# KiCad board Neptune.kicad_pcb (continued)
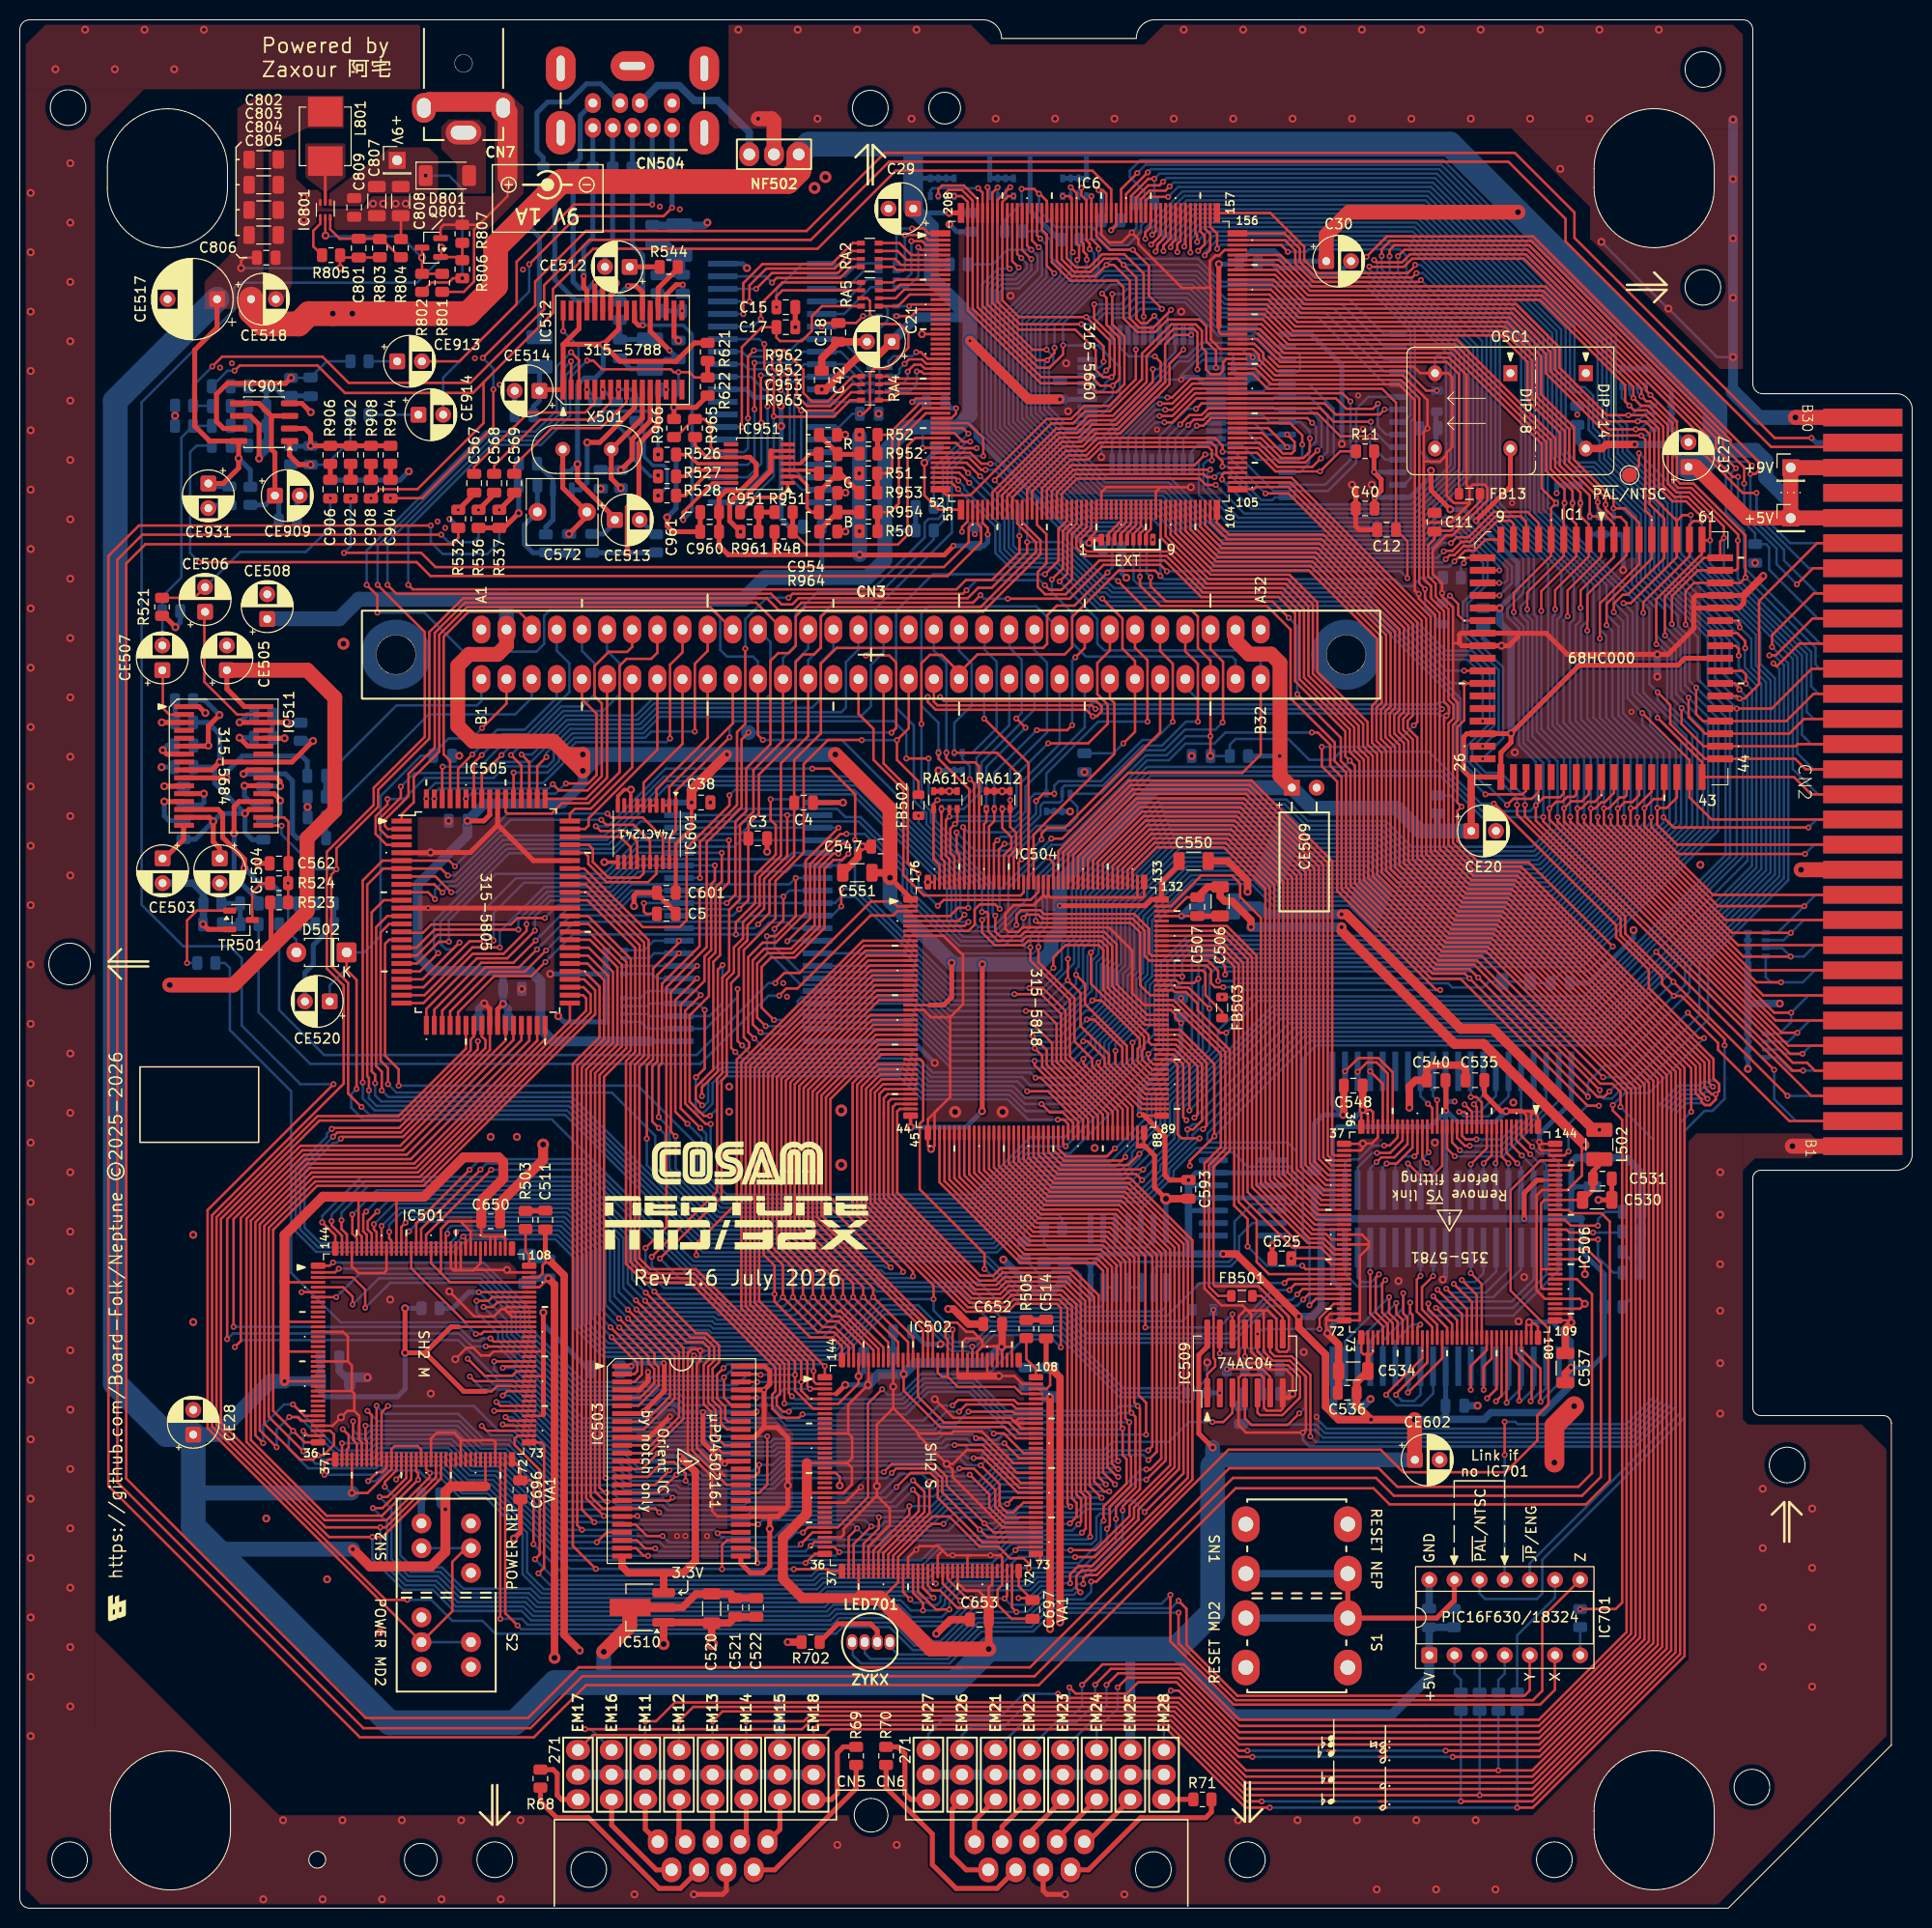
[diagram p0: board, top side]
## Routing (per net, layer and track width the routed paths; a pad name or vN(x,y) marks a point on that pad's centre or on a via; arc(x,y) is an arc through that point) (continued)
VA23: length 358.8
  Top w0.25: 111.28,171.88 111.28,173.77 v1(112.91,175.4) ; IC1.55 173.53,130.17 173.78,129.91 v1(173.78,129.48) ; IC601.18 64.97,108.23 62.95,110.25 59.78,110.25 v1(59.38,110.65) ; v1(43.96,105.33) 43.39,105.9 36.66,105.9 34.65,103.9 v1(34.65,83.47) ; v1(119.56,78.77) 119.9,79.11 119.9,85.48 117.08,88.3 IC504.105
  Bottom w0.25: v1(59.38,110.65) 49.28,110.65 v1(43.96,105.33) ; v1(112.91,175.4) 113.75,176.25 143.63,176.25 160.79,159.08 160.79,150.8 161.93,149.67 161.93,147.21 166.94,142.2 166.94,136.32 v1(173.78,129.48) 174.95,128.31 174.95,125.43 176.43,123.95 176.43,104.9 160.11,88.58 129.37,88.58 v1(119.56,78.77) 119.09,78.77 118.5,78.18 118.5,77.74 115.67,74.92 115.67,74.38 113.12,71.82 103.61,71.82 98.54,66.75 69.19,66.75 55.29,80.65 35.85,80.65 34.65,81.85 v1(34.65,83.47)
VCLK: length 249.4
  Top w0.25: v1(170.52,81.82) 169.78,82.56 169.78,85.29 151.14,103.93 146.65,103.93 143.45,107.13 143.45,120.97 v1(143.7,121.22) 143.45,121.47 143.45,130.93 141.98,132.41 v1(141.98,133.35) 141.4,133.92 141.4,152.63 139.54,154.5 126.63,154.5 125,156.12 IC6.130 ; v1(130.4,47.7) 130.4,53.91 128.51,55.8 126.79,55.8 126.33,56.26 126.33,58.54 ; v1(108.67,121.24) 108.31,121.6 92.72,121.6 92.36,121.97 CN3.b19
  Bottom w0.25: v1(130.4,47.7) 130.97,47.12 163.07,47.12 166.84,50.89 166.84,80.51 168.16,81.83 170.51,81.83 v1(170.52,81.82) ; v1(141.98,133.35) 141.98,131.55 FB7.1 ; v1(143.7,121.22) 143.7,121.23 108.69,121.23 v1(108.67,121.24)
VD0: length 253.4
  Top w0.25: v1(150.95,131.03) 150.95,132.96 154.72,136.74 154.72,141.55 v1(155.22,142.05) 153.76,143.52 153.76,148.04 144.6,157.2 127.74,157.2 125.32,159.62 IC6.137 ; IC504.86 112.42,81.05 108.35,85.12 108.35,85.85 106.55,87.65 106.55,92 102.92,95.62 v1(102.92,97.18) ; v1(153.93,110.3) 153.93,109.87 179.12,84.68 v1(180.17,84.68) ; v1(83.53,108.6) 82.9,108.6 79.85,105.55 79.85,100.05 v1(77.55,97.75)
  Bottom w0.25: CN2.a4 186.19,84.68 v1(180.17,84.68) 178.92,84.68 177.6,86 RM3.8 ; IC2.12 77.6,97.8 v1(77.55,97.75) ; v1(83.53,108.6) 85.38,108.6 89.2,104.78 89.2,102.39 95.09,96.5 101.84,96.5 101.85,96.5 102.36,96.5 102.92,97.06 v1(102.92,97.18) 102.92,98.4 103.8,99.27 103.8,104.03 114.25,114.48 143.53,114.48 147.71,110.3 v1(153.93,110.3) 153.93,115.77 151.93,117.77 151.93,129.58 150.95,130.56 v1(150.95,131.03)
VD1: length 233.8
  Top w0.25: IC504.92 113.58,81.8 110.05,85.33 110.05,86.3 107.17,89.18 107.17,92.52 v1(105.88,93.81) 105.9,93.83 v1(105.9,95.96) ; v1(152.3,131.3) 152.3,133 155.99,136.69 IC1.4 155.99,141.97 v1(156.08,142.05) 156.08,143.44 154.22,145.29 154.22,148.24 144.81,157.65 127.93,157.65 125.46,160.12 IC6.138 ; v1(155.37,110.3) 155.37,109.87 178.87,86.38 v1(180.12,86.38)
  Bottom w0.25: CN2.a5 180.95,87.2 v1(180.12,86.38) 178.28,86.38 177.85,86.8 RM3.7 ; v1(105.88,93.81) 103.84,91.78 94.24,91.78 89.49,96.53 IC2.13 ; v1(105.9,95.96) 105.9,97.42 106.75,98.27 106.75,103.03 115.34,111.62 127.79,111.62 129.96,109.45 137.84,109.45 140.44,106.85 152.98,106.85 155.37,109.25 v1(155.37,110.3) 155.37,115.93 152.83,118.47 152.83,130.17 152.3,130.69 v1(152.3,131.3)
VD2: length 231.9
  Top w0.25: v1(153.73,131.15) 153.73,133.14 157.27,136.68 157.27,139.9 156.88,140.28 v1(156.88,142.04) 156.88,143.27 154.67,145.48 154.67,148.43 145,158.1 128.12,158.1 125.59,160.62 IC6.139 ; v1(179.6,88.5) 178.01,88.5 156.65,109.86 v1(156.65,110.33) ; IC504.95 113.99,83.3 111.85,85.44 111.85,87.17 107.62,91.4 107.62,93.45 v1(106.72,94.35)
  Bottom w0.25: IC2.14 90.12,95.26 94.05,91.33 104.6,91.33 106.72,93.44 v1(106.72,94.35) 106.72,94.94 106.98,95.2 106.98,97.23 107.65,97.9 107.65,102.66 115.72,110.73 127.42,110.73 129.59,108.55 137.47,108.55 140.07,105.95 153.35,105.95 156.65,109.25 v1(156.65,110.33) 156.65,116.28 153.73,119.2 v1(153.73,131.15) ; RM3.6 178.7,87.6 v1(179.6,88.5) 180.84,89.74 CN2.a6
VD3: length 233.8
  Top w0.25: v1(155.13,131.31) 155.13,133.25 158.53,136.66 158.53,139.88 157.68,140.73 v1(157.68,142.05) 157.68,143.11 155.13,145.66 155.13,148.61 145.19,158.55 128.3,158.55 125.73,161.12 IC6.140 ; IC504.98 114.4,84.8 113.4,85.8 113.4,86.7 113.6,86.9 113.6,88.08 108.22,93.45 v1(108.22,96.62) ; v1(158.05,110.33) 158.05,109.74 177.26,90.53 v1(178.97,90.53)
  Bottom w0.25: 80.61,94 IC2.15 90.12,93.99 94.03,90.07 104.98,90.07 106.71,91.81 106.73,91.81 107.88,92.96 107.88,96.28 v1(108.22,96.62) 108.55,96.95 108.55,102.28 116.09,109.83 127.04,109.83 129.22,107.65 137.1,107.65 139.7,105.05 153.72,105.05 158.05,109.38 v1(158.05,110.33) 158.05,116.38 154.87,119.55 154.87,130.54 155.13,130.79 v1(155.13,131.31) ; CN2.a7 180.73,92.28 v1(178.97,90.53) 178.97,89.58 177.8,88.4 RM3.5
VD4: length 233.4
  Top w0.25: IC504.97 114.26,84.3 112.95,85.61 112.95,86.88 113.15,87.08 113.15,87.89 109.28,91.76 v1(108.36,91.76) ; v1(177.95,93.6) 175.46,93.6 159.42,109.63 v1(159.42,110.33) ; IC6.141 125.87,161.62 128.49,159 149.65,159 152.34,156.3 152.34,152.43 155.59,149.18 155.59,145.84 158.62,142.81 v1(158.62,140.7) 159.37,140.7 159.8,140.26 159.8,136.62 156.38,133.2 v1(156.38,130.6)
  Bottom w0.25: RM4.8 176.4,94.12 176.92,93.6 v1(177.95,93.6) 180.15,93.6 181.37,94.82 CN2.a8 ; v1(156.38,130.6) 155.97,130.19 155.97,119.83 159.42,116.38 v1(159.42,110.33) 159.42,109.48 154.1,104.15 139.32,104.15 136.72,106.75 128.85,106.75 126.67,108.93 116.46,108.93 109.45,101.91 109.45,96.26 108.78,95.58 108.78,92.18 v1(108.36,91.76) 107.82,91.22 107.41,91.22 107.1,90.91 107.09,90.91 105,88.83 94.01,88.83 90.11,92.72 IC2.16
VD5: length 233.9
  Top w0.25: v1(160.72,110.35) 160.72,109.61 174.13,96.2 v1(178.92,96.2) ; v1(157.7,131.45) 157.7,133.22 161.08,136.59 161.08,139.93 159.43,141.58 v1(159.43,142.13) 159.43,142.69 156.1,146.02 156.1,149.32 152.79,152.63 152.79,156.49 149.83,159.45 128.68,159.45 126,162.12 IC6.142 ; v1(107.81,89.84) 108.55,89.84 111.4,86.98 111.4,85.25 113.85,82.8 IC504.94
  Bottom w0.25: RM4.7 178.08,97.05 v1(178.92,96.2) 180.25,96.2 181.41,97.36 CN2.a9 ; IC2.17 90.11,91.45 93.99,87.58 105.55,87.58 v1(107.81,89.84) 108.06,89.84 109.68,91.45 109.68,95.21 110.35,95.89 110.35,101.54 116.84,108.03 126.3,108.03 128.47,105.85 136.35,105.85 138.95,103.25 154.47,103.25 160.72,109.51 v1(160.72,110.35) 160.72,116.48 157.2,120 157.2,129.68 157.7,130.18 v1(157.7,131.45) ; 159.42,140.7 159.42,142.12 v1(159.43,142.13)
VD6: length 234.6
  Top w0.25: IC504.91 113.44,81.3 109.6,85.15 109.6,85.93 107.89,87.64 v1(107.44,87.64) ; v1(178.95,98.6) 173,98.6 162.08,109.52 v1(162.08,110.29) ; v1(158.38,129.15) 158.38,132.81 162.34,136.78 162.34,140.03 161.73,140.64 161,140.64 160.22,141.42 v1(160.22,141.89) 160.22,142.56 156.55,146.23 156.55,149.52 153.25,152.82 153.25,156.69 150.04,159.9 128.86,159.9 126.14,162.62 IC6.143
  Bottom w0.25: v1(160.22,141.89) 160.22,141.88 CA602.7 ; IC2.18 90.11,90.18 93.99,86.3 106.11,86.3 v1(107.44,87.64) 107.44,87.95 110.58,91.08 110.58,94.82 111.25,95.5 111.25,101.17 117.21,107.12 125.92,107.12 128.1,104.95 135.81,104.95 138.41,102.35 154.84,102.35 162.08,109.59 v1(162.08,110.29) 162.08,116.54 158.38,120.25 v1(158.38,129.15) ; RM4.6 178.2,97.85 v1(178.95,98.6) 180.25,99.9 CN2.a10
VD7: length 235.7
  Top w0.25: IC6.144 126.27,163.12 129.05,160.35 150.25,160.35 153.71,156.9 153.71,153.02 157.04,149.69 157.04,146.41 161.02,142.43 v1(161.02,141.5) 162.17,141.5 163.61,140.06 163.61,135.86 159.65,131.9 v1(159.65,128.35) ; v1(107.46,85.86) 107.46,85.38 111.92,80.91 IC504.85 ; v1(180.3,101.3) 171.58,101.3 163.42,109.46 v1(163.42,110.28)
  Bottom w0.25: CA602.8 161.03,141.5 v1(161.02,141.5) ; RM4.5 177.65,98.65 v1(180.3,101.3) 181.44,102.44 CN2.a11 ; IC2.19 90.11,88.91 94.09,84.93 106.53,84.93 v1(107.46,85.86) 108.67,87.08 108.67,87.91 111.48,90.71 111.48,94.45 112.15,95.12 112.15,100.79 117.58,106.23 125.55,106.23 127.73,104.05 135.44,104.05 138.04,101.45 155.22,101.45 163.42,109.65 v1(163.42,110.28) 163.42,116.57 159.65,120.34 v1(159.65,128.35)
VD8: length 259.8
  Top w0.25: v1(72.98,87.22) 72.53,87.67 v1(72.53,92.93) ; IC6.145 126.41,163.62 129.24,160.8 150.52,160.8 154.19,157.12 154.19,155.18 160.49,148.88 v1(163.83,148.88) 164.23,148.47 164.23,141.3 164.89,140.65 164.89,136.43 160.33,131.87 v1(160.33,129.7) ; IC504.90 113.31,80.8 108.97,85.13 v1(108.97,85.5) ; v1(164.83,110.28) 164.83,109.32 167.58,106.58 v1(180.37,106.58)
  Bottom w0.25: v1(180.37,106.58) 181.32,107.52 CN2.a13 ; RM5.8 62.75,89.6 63.44,88.91 IC2.22 69.31,88.91 72.53,92.13 v1(72.53,92.93) ; v1(163.83,148.88) 164.42,148.88 CA603.5 ; v1(160.33,129.7) 160.9,129.13 160.9,120.48 164.83,116.55 v1(164.83,110.28) 164.83,109.79 155.59,100.55 137.67,100.55 135.07,103.15 127.35,103.15 125.18,105.33 117.95,105.33 113.05,100.42 113.05,94.75 112.38,94.08 112.38,90.33 109.57,87.53 109.57,86.1 v1(108.97,85.5) 106.67,83.2 102.07,83.2 101.25,84.03 92.06,84.03 89.74,86.35 73.85,86.35 v1(72.98,87.22)
VD9: length 275.1
  Top w0.25: IC6.146 126.55,164.12 129.42,161.25 150.73,161.25 154.65,157.33 154.65,155.36 160.51,149.5 v1(163.28,149.5) 163.56,149.5 163.57,149.5 164.08,149.5 164.09,149.5 164.17,149.5 164.69,148.99 164.69,148.04 164.68,148.04 164.68,141.94 166.16,140.47 166.16,136.48 162.46,132.78 161.96,132.78 161.05,131.87 v1(161.05,131.03) ; v1(166.08,110.28) 167.1,109.25 v1(180.72,109.25) ; v1(68.92,82.1) 68.92,82.99 70.53,84.59 70.53,94.88 v1(71,95.35) ; v1(110.7,86.68) 110.7,85.32 113.72,82.3 IC504.93
  Bottom w0.25: v1(180.72,109.25) 181.53,110.06 CN2.a14 ; v1(163.28,149.5) 163.7,149.5 164.5,150.3 CA603.6 ; v1(68.92,82.1) 68.92,83.62 70.75,85.45 89.37,85.45 91.69,83.12 100.36,83.12 101.56,81.93 107.01,81.93 110.7,85.61 v1(110.7,86.68) 110.7,87.39 113.28,89.96 113.28,93.7 113.95,94.38 113.95,100.05 118.33,104.43 124.81,104.43 126.98,102.25 134.7,102.25 137.3,99.65 155.96,99.65 166.08,109.76 v1(166.08,110.28) 166.08,116.72 162,120.8 162,130.07 v1(161.05,131.03) ; v1(71,95.35) 71,91.5 69.68,90.18 IC2.23 63.57,90.18 63.35,90.4 RM5.7
VD10: length 287.6
  Top w0.25: v1(69.2,90.8) 69.2,84.88 v1(68.32,84) ; v1(168.83,140.82) 168,140.82 167.42,140.25 ; IC504.96 114.12,83.8 112.42,85.5 v1(112.42,87.5) ; IC6.147 126.68,164.62 129.61,161.7 150.96,161.7 155.1,157.56 155.1,155.56 160.36,150.3 v1(163.47,150.3) 164.24,150.3 165.14,149.41 165.14,147.86 165.13,147.85 165.13,142.54 167.42,140.25 ; 167.42,140.25 167.42,136.59 162.77,131.93 v1(162.03,131.93)
  Bottom w0.25: v1(168.83,140.82) 168.83,136.6 179.14,126.29 179.14,115.17 181.7,112.6 CN2.a15 ; CA603.7 164.27,151.1 v1(163.47,150.3) ; v1(69.2,90.8) 68.55,91.45 IC2.24 63.65,91.45 63.4,91.2 RM5.6 ; v1(68.32,84) 68.3,83.97 68.3,80.68 68.55,80.43 69.09,80.43 70,81.33 70,83.43 71.12,84.55 88.99,84.55 91.32,82.22 99.99,82.22 101.64,80.58 106.93,80.58 112.42,86.07 112.42,87.47 114.18,89.22 114.18,93.33 114.85,94 114.85,99.68 118.7,103.53 124.43,103.53 126.61,101.35 134.32,101.35 136.92,98.75 156.33,98.75 167.33,109.74 167.33,116.95 164.72,119.55 164.72,120.92 162.95,122.69 162.95,131.01 v1(162.03,131.93)
VD11: length 285.2
  Top w0.25: IC6.148 126.82,165.12 129.8,162.15 151.17,162.15 155.56,157.76 155.56,155.74 160.37,150.93 v1(162.53,150.93) 164.25,150.93 165.6,149.58 165.6,143.63 167,142.23 168.35,142.23 169.92,140.65 v1(169.92,140.22) 169.08,140.22 168.7,139.84 168.7,136.67 164.02,131.99 v1(164.02,130.95) ; IC504.99 114.53,85.3 114.02,85.81 v1(114.02,86.37) ; v1(69.81,79.28) 69.3,79.28 67.23,81.35 67.23,90.73 v1(68.8,92.3)
  Bottom w0.25: v1(69.81,79.28) 69.8,79.27 69.8,73.77 71.42,72.15 96.3,72.15 102.1,77.95 105.58,77.95 114,86.37 v1(114.02,86.37) 115.08,87.42 115.08,92.96 115.95,93.83 115.95,95.61 118.19,97.85 156.71,97.85 168.4,109.54 168.4,118.52 164.02,122.89 v1(164.02,130.95) ; v1(169.92,140.22) 169.92,136.14 179.59,126.47 179.59,116.76 181.21,115.14 CN2.a16 ; RM5.5 62.7,92 63.42,92.72 IC2.25 68.38,92.72 v1(68.8,92.3) ; v1(162.53,150.93) 162.87,150.93 163.85,151.9 CA603.8
VD12: length 285.4
  Top w0.25: v1(165.35,127.78) 165.35,132.32 169.97,136.94 IC1.61 170.05,138.27 v1(170.77,138.27) 170.77,140.44 168.54,142.68 167.19,142.68 166.05,143.81 166.05,149.76 164.39,151.43 163.1,151.43 v1(162.62,151.9) 162.2,152.32 162.2,153.98 153.58,162.6 129.98,162.6 126.96,165.62 IC6.149 ; v1(117.45,94.18) 117.33,94.3 IC504.117 ; v1(67.45,79.3) 66.23,80.52 66.23,91.8 v1(68.43,94)
  Bottom w0.25: v1(165.35,127.78) 165.55,127.78 166.45,126.88 166.45,121.8 169.5,118.75 169.5,109.37 157.08,96.95 118.56,96.95 117.45,95.84 v1(117.45,94.18) 117.45,93.6 117.11,93.26 116.65,93.26 115.99,92.6 115.99,86.19 106.12,76.32 101.74,76.32 96.67,71.25 71.05,71.25 68.9,73.4 68.9,77.85 v1(67.45,79.3) ; RM6.8 63.9,94.45 64.36,93.99 IC2.26 68.29,93.99 68.3,94 v1(68.43,94) ; CA604.8 161.86,152.67 v1(162.62,151.9) ; v1(170.77,138.27) 170.77,135.93 180.07,126.63 180.07,118.61 181,117.68 CN2.a17
VD13: length 290.2
  Top w0.25: v1(119.07,93.96) 118.64,93.53 117.1,93.53 116.82,93.8 IC504.116 ; v1(68.42,95.26) 65.78,92.62 65.78,78.52 v1(66.26,78.04) ; v1(166.23,128.66) 166.21,128.68 166.21,132.54 170.18,136.51 IC1.60 171.8,138.16 v1(172.17,138.53) 172.17,139.67 168.72,143.12 167.38,143.12 166.51,143.99 166.51,149.94 164.58,151.88 163.83,151.88 v1(163.03,152.68) 163.03,153.79 153.77,163.05 130.17,163.05 127.09,166.12 IC6.150
  Bottom w0.25: CA604.7 162.66,153.04 v1(163.03,152.68) ; RM6.7 61.06,95.26 IC2.27 v1(68.42,95.26) ; v1(166.23,128.66) 167.35,127.54 167.35,122.75 170.58,119.53 170.58,109.17 157.45,96.05 119.67,96.05 119.07,95.45 119.07,86.93 114.35,82.21 114.35,79.64 110.13,75.42 102.12,75.42 97.05,70.35 70.68,70.35 66.26,74.76 v1(66.26,78.04) ; v1(172.17,138.53) 172.17,135.17 180.54,126.8 180.54,120.94 181.26,120.22 CN2.a18
VD14: length 293.9
  Top w0.25: v1(120.2,90.95) 118.07,93.08 116.86,93.08 116.64,93.3 IC504.115 ; v1(66.6,96.53) 64.43,94.36 64.43,85.63 63.91,85.1 63.91,79.53 v1(64.56,78.88) ; IC6.151 127.23,166.62 130.35,163.5 153.95,163.5 163.85,153.6 v1(163.85,152.82) 164.35,152.32 164.76,152.32 166.97,150.12 166.97,144.17 167.56,143.57 168.91,143.57 173.62,138.87 173.62,138.3 v1(173.58,138.26) 173.58,135.45 173.37,135.25 169.54,135.25 166.93,132.63 v1(166.93,129.82)
  Bottom w0.25: v1(66.6,96.53) 64.09,96.53 63.6,96.05 RM6.6 ; v1(166.93,129.82) 166.93,129.62 168.25,128.3 168.25,123.62 171.6,120.28 171.6,108.93 157.83,95.15 120.97,95.15 120.2,94.38 v1(120.2,90.95) 120.2,86.79 115.25,81.84 115.25,79.27 112.38,76.39 112.38,75.74 111.16,74.52 102.49,74.52 97.42,69.45 70.31,69.45 65.2,74.55 65.2,77.58 65.19,77.59 65.19,78.24 v1(64.56,78.88) ; v1(173.58,138.26) 173.58,134.4 180.99,126.99 180.99,123.51 181.74,122.76 CN2.a19 ; v1(163.85,152.82) 163.46,153.22 CA604.6
VD15: length 293.2
  Top w0.25: IC6.152 127.37,167.12 130.54,163.95 154.14,163.95 164.35,153.74 164.35,153.38 v1(164.75,152.98) 167.42,150.3 167.42,144.35 167.75,144.03 169.1,144.03 174.35,138.77 v1(174.35,134.51) 173.81,133.98 169.16,133.98 168.3,133.12 v1(168.3,129.77) ; IC504.114 116.5,92.8 116.67,92.62 117.82,92.62 119,91.45 119,90.78 121.28,88.5 v1(121.9,88.5) ; v1(66.6,97.8) 66.6,97.61 63.98,94.99 63.98,85.82 63.35,85.19 v1(63.35,77.8)
  Bottom w0.25: v1(164.75,152.98) 164.26,153.47 CA604.5 ; v1(174.35,134.51) 181.44,127.43 181.44,125.72 181.86,125.3 CN2.a20 ; RM6.5 63.1,96.85 64.06,97.8 v1(66.6,97.8) ; v1(63.35,77.8) 63.35,75.13 69.93,68.55 97.79,68.55 102.86,73.62 111.53,73.62 116.2,78.29 116.2,81.46 117.36,82.62 117.36,82.62 121.9,87.16 v1(121.9,88.5) 125.12,91.72 158.24,91.72 172.8,106.29 172.8,120.99 169.56,124.23 169.56,128.51 v1(168.3,129.77)
VIDEO_B: length 16.2
  Top w0.25: R954.1 87.92,141.12 88.81,142.01 88.81,148.39 91.54,151.12 IC6.37
  Top w0.5: R50.2 R954.1
VIDEO_G: length 12.8
  Top w0.25: IC6.36 91.2,151.62 88.14,148.56 88.14,145.54 87.65,145.05 R51.2
  Top w0.5: R953.1 R51.2
VIDEO_R: length 9.7
  Top w0.25: IC6.35 90.91,152.12 87.73,148.94 86.56,148.94
  Top w0.5: R952.1 86.66,147.05 R52.2
XA21: length 15.1
  Top w0.25: CN3.b9 66.96,117.71 63.03,113.78 IC601.6 IC601.7
XA22: length 15.6
  Top w0.25: IC601.5 IC601.4 64.32,113.12 69.5,118.3 CN3.b10
XA23: length 16.1
  Top w0.25: CN3.b11 72.04,119.76 65.62,113.35 IC601.2 IC601.3
XBOUT: length 18.9
  Top w0.5: v1(59.19,163.93) 58.9,163.65 IC512.27
  Bottom w0.5: FB515.1 54.05,172.82 54.05,164.65 56.15,162.55 57.81,162.55 v1(59.19,163.93)
XEDCLK: length 27
  Top w0.25: 125.06,51.61 125.06,50.08 125.29,49.85 127.57,49.85 129.35,51.62 129.35,53.69 128.14,54.9 126.42,54.9 125.06,56.26 v1(125.06,58.05) 125.06,58.54 ; v1(131.32,58.55) 131.32,59.66 132.76,61.1 IC506.69
  Bottom w0.25: v1(125.06,58.05) 125.56,58.55 v1(131.32,58.55)
XGOUT: length 15.1
  Top w0.5: v1(58.1,164.37) IC512.28
  Bottom w0.5: v1(58.1,164.37) 57.51,163.78 56.55,163.78 55.9,164.43 FB514.1
XROUT: length 13
  Top w0.5: IC512.29 57.3,163.52 56.97,163.85 v1(56.97,164.97)
  Bottom w0.5: FB513.1 57.9,168.88 56.97,167.94 v1(56.97,164.97)
XVOUT: length 8.4
  Bottom w0.5: CE512.2 59.12,167.3 59.9,168.07 FB516.1
ZA0: length 33.7
  Top w0.25: R11.1 133.41,147.28 v1(131.38,145.25) 126.88,145.25 125,147.12 IC6.112
  Bottom w0.25: v1(131.38,145.25) 132.75,146.62 132.75,151.57 130.27,154.06 IC5.10 126.33,154.06 125.61,153.34 IC4.27
ZA1: length 26.4
  Top w0.25: v1(131.46,146.57) 130.59,145.7 127.07,145.7 125.14,147.62 IC6.113
  Bottom w0.25: v1(131.46,146.57) 132.14,147.25 132.14,150.96 130.31,152.79 IC5.9 126.81,152.79 126.56,152.54 IC4.28
ZA2: length 23.8
  Top w0.25: v1(131.11,147.36) 129.9,146.15 127.25,146.15 125.28,148.12 IC6.114
  Bottom w0.25: v1(131.11,147.36) 131.53,147.78 131.53,150.28 130.28,151.51 IC5.8 126.84,151.51 126.61,151.74 IC4.29
ZA3: length 20.6
  Top w0.25: v1(130.34,148.59) 130.34,147.24 129.7,146.6 127.44,146.6 125.41,148.62 IC6.115
  Bottom w0.25: IC4.30 125.59,150.94 126.28,150.25 IC5.7 129.39,150.25 130.34,149.3 v1(130.34,148.59)
ZA4: length 16.4
  Top w0.25: IC6.116 125.55,149.12 127.62,147.05 128.5,147.05 128.8,147.35 128.8,148.23 v1(128.05,148.98)
  Bottom w0.25: IC4.31 124.73,150.14 125.9,148.98 v1(128.05,148.98)
ZA5: length 13.7
  Top w0.25: v1(128.05,147.71) 126.13,149.62 IC6.117
  Bottom w0.25: IC4.32 123.91,149.34 125.54,147.71 v1(128.05,147.71)
ZA6: length 23.1
  Top w0.25: v1(129.58,147.96) 129.58,148.89 128.34,150.12 IC6.118
  Bottom w0.25: 118.42,146.49 118.42,146.04 ; v1(129.58,147.96) 129.58,146.75 129.26,146.44 IC5.4 124.94,146.44 123.44,147.93 119.05,147.93 118.36,147.24 IC4.34
ZA7: length 23.7
  Top w0.25: v1(130.57,150.15) 130.1,150.62 IC6.119 120.35,150.62 119.59,149.86 v1(118.91,149.86)
  Bottom w0.25: v1(118.91,149.86) 117.56,148.51 IC4.35 ; v1(130.57,150.15) 130.97,149.76 130.97,148.29 130.26,147.58 130.26,146.09 129.34,145.17 IC5.3
ZA8: length 28.6
  Top w0.25: v1(136.44,148.81) 133.42,148.81 131.1,151.12 120.22,151.12 119.58,150.49 118.62,150.49 v1(118.06,149.93)
  Bottom w0.25: IC4.36 116.76,148.63 v1(118.06,149.93) ; v1(136.44,148.81) 136.44,147.96 137.97,146.44 IC5.25
ZA9: length 29.3
  Top w0.25: v1(136.51,150.27) 132.75,150.27 131.4,151.62 120.08,151.62 119.39,150.94 118.19,150.94 117.44,150.19 117.44,149.99 v1(117.24,149.99)
  Bottom w0.25: v1(136.51,150.27) 136.51,149.62 138.42,147.71 IC5.24 ; IC4.37 115.96,148.71 v1(117.24,149.99)
ZA10: length 28.9
  Top w0.25: v1(137.9,151.51) 137.39,151 132.95,151 131.82,152.12 119.41,152.12 v1(118.85,151.56)
  Bottom w0.25: v1(137.9,151.51) IC5.21 ; IC4.38 115.16,148.82 117.9,151.56 v1(118.85,151.56) ; 138.74,151.44 138.75,151.46
ZA11: length 33.4
  Top w0.25: v1(115.65,150.2) 116.45,150.2 118.88,152.62 132.97,152.62 134.03,151.57 136.71,151.57 v1(137.22,152.09)
  Bottom w0.25: v1(115.65,150.2) 114.74,150.2 113.56,149.02 IC4.40 ; IC5.23 138.04,148.98 137.22,149.8 v1(137.22,152.09)
ZA12: length 40
  Top w0.25: v1(134.45,152.32) 133.62,153.15 118.76,153.15 116.46,150.85 v1(115.15,150.85)
  Bottom w0.25: IC5.2 131.89,143.9 134.45,146.45 v1(134.45,152.32) ; v1(115.15,150.85) 114.75,150.85 112.76,148.86 IC4.41
ZA13: length 15.8
  Top w0.25: IC6.125 118.6,153.62 116.45,151.47 v1(115.72,151.47)
  Bottom w0.25: v1(115.72,151.47) 114.74,151.47 111.96,148.69 IC4.42
ZA14: length 16.7
  Top w0.25: v1(115.19,152.1) 116.44,152.1 118.47,154.12 IC6.126
  Bottom w0.25: v1(115.19,152.1) 114.73,152.1 111.16,148.53 IC4.43
ZA15: length 17.6
  Top w0.25: IC6.127 118.33,154.62 116.43,152.72 v1(115.95,152.72)
  Bottom w0.25: IC4.44 110.36,148.36 114.72,152.72 v1(115.95,152.72)
ZCLK: length 22.6
  Top w0.25: IC6.132 124.28,157.12 124.57,156.82 v1(124.57,156.78)
  Bottom w0.25: IC4.1 109.26,148.54 117.1,156.38 118.11,156.38 119.36,157.62 123.45,157.62 124.3,156.78 v1(124.57,156.78)
ZD0: length 57.3
  Top w0.25: v1(109.76,155.44) 110.12,155.8 110.12,158.48 v1(107.75,160.85) 100.97,160.85 99.28,162.55 99.28,171.88 ; v1(100.4,173.07) 99.87,173.07 99.28,172.48 99.28,171.38
  Bottom w0.25: 128.05,155.32 129.12,155.32 129.35,155.55 129.35,156.99 129.1,157.24 126.92,157.24 124.76,159.4 121.31,159.4 117.91,162.8 112.71,162.8 111.6,161.69 109.34,161.69 108.5,160.85 v1(107.75,160.85) ; v1(109.76,155.44) 109.26,154.94 IC4.9
ZD1: length 54.1
  Top w0.25: 98.78,171.88 98.78,162.41 101.06,160.12 v1(107.25,160.12) 109.5,157.88 v1(109.5,156.34) ; 98.78,171.38 98.78,172.68 v1(100.07,173.98)
  Bottom w0.25: v1(109.5,156.34) 109.5,156.15 109.09,155.74 IC4.10 ; v1(100.07,173.98) 99.88,173.98 99.6,173.7 RA607.2 ; IC5.12 126.93,156.59 124.57,158.95 121.12,158.95 117.72,162.35 113.11,162.35 112,161.24 109.62,161.24 108.5,160.12 v1(107.25,160.12)
ZD2: length 63.4
  Top w0.25: 98.28,171.88 98.28,162.26 100.97,159.57 106.64,159.57 108.7,157.52 108.7,155.5 109.42,154.78 v1(110.31,154.78) 110.6,155.07 110.6,158.63 108.55,160.69 v1(108.55,162.14) ; v1(98.8,173.95) 98.28,173.43 98.28,171.38
  Bottom w0.25: v1(108.55,162.14) 111.22,162.14 112.33,163.25 118.1,163.25 121.5,159.85 124.95,159.85 126.93,157.87 IC5.13 ; v1(110.31,154.78) 109.68,154.15 109.68,153.68 109.34,153.34 IC4.7 ; v1(98.8,173.95) RA607.3
ZD3: length 74.8
  Top w0.25: v1(103.75,157.56) 102.34,157.56 97.78,162.12 97.78,171.88 ; 97.78,171.38 v1(97.78,173.98)
  Bottom w0.25: IC4.3 105.56,150.14 103.97,151.72 103.97,155.77 104.43,156.22 104.43,156.87 v1(103.75,157.56) 103.75,159.8 109.44,165.5 119.03,165.5 121.89,162.64 134.32,162.64 137.83,159.13 IC5.15 ; RA607.4 98,173.75 v1(97.78,173.98)
ZD4: length 80.8
  Top w0.25: v1(96.82,173.88) 97.28,173.43 97.28,171.38 ; v1(104.54,157.75) 104.54,157.22 v1(103.81,156.48) 102.77,156.48 97.28,161.98 97.28,171.88
  Bottom w0.25: RA617.4 92,173.65 92.22,173.88 v1(96.82,173.88) ; IC5.16 137.86,157.87 133.55,162.18 121.71,162.18 118.84,165.05 109.63,165.05 105.34,160.76 104.54,159.96 v1(104.54,157.75) ; v1(103.81,156.48) 103.53,156.2 103.53,151.53 105.72,149.34 IC4.2
ZD5: length 84.3
  Top w0.25: 96.78,171.88 96.78,161.84 102.88,155.73 104.05,155.73 105.41,157.09 v1(105.41,157.99) ; 96.78,171.38 96.78,172.76 95.38,174.15 93.17,174.15 92.8,173.78 v1(92.8,173.07)
  Bottom w0.25: IC4.4 109.27,150.94 111.15,152.82 111.15,155.78 108.94,157.99 v1(105.41,157.99) 105.41,160.2 109.81,164.6 118.65,164.6 121.52,161.73 132.72,161.73 137.85,156.59 IC5.17
ZD6: length 80.8
  Top w0.25: 96.28,171.88 96.28,161.69 103.19,154.78 108.29,154.78 109.16,153.91 v1(110.42,153.91) 111.1,154.59 111.1,158.77 109.8,160.07 109.8,162.78 v1(109.35,163.23) ; v1(93.6,173.07) 93.6,173.45 93.85,173.7 95.2,173.7 96.28,172.62 96.28,171.38
  Bottom w0.25: v1(109.35,163.23) 110.28,164.15 118.47,164.15 121.34,161.28 131.92,161.28 137.87,155.32 139.25,155.32 ; v1(110.42,153.91) 110.42,152.92 109.25,151.74 IC4.5 ; v1(93.6,173.07) 93.6,173.09 93.55,173.14
ZD7: length 75.4
  Top w0.25: 95.78,171.38 95.78,172.48 95.18,173.07 v1(94.4,173.07) ; 95.78,171.88 95.78,161.55 103.17,154.15 107.85,154.15 v1(107.86,154.14) 108.75,153.25 110.8,153.25 111.6,154.06 111.6,158.9 110.38,160.13 v1(110.38,163.18)
  Bottom w0.25: v1(110.38,163.18) 111.37,163.18 111.89,163.7 118.28,163.7 121.15,160.83 131.17,160.83 137.95,154.06 IC5.19
~{3BP_CSYNC}: length 47.9
  Top w0.35: v1(67.03,140.32) 67.03,141.1 70,144.07 IC951.14
  Top w0.5: v1(62.95,160.02) 62.51,160.02 62.1,160.43 IC512.23
  Bottom w0.35: v1(62.95,160.02) 67.03,160.02 67.92,159.12 67.92,141.23 v1(67.03,140.32)
  Bottom w0.5: FB517.1 61.9,168.12 62.95,167.07 v1(62.95,160.02)
~{ASEL}: length 250.4
  Top w0.25: 121.5,92.32 121.5,92.14 v1(121.47,92.11) ; 103.78,141.15 103.78,143.39 106.26,145.87 118.68,145.87 v1(119.77,146.96) ; v1(139.25,167) 139.9,167.65 152.35,167.65 171.37,148.62 171.37,147.57 v1(173.38,145.56) ; v1(125.85,143.02) 128.18,143.02 141.2,130 141.2,119.92 v1(140.85,119.57) ; v1(131.55,117.4) 131.55,115.45 133.1,113.9 133.1,102.84 143.12,92.83 v1(143.53,92.83)
  Bottom w0.25: v1(173.38,145.56) 172.93,145.11 172.93,141.38 175.33,138.98 C60.1 176.41,137.9 176.75,137.56 176.75,135.3 181.67,130.38 CN2.a22 ; v1(140.85,119.57) 138.68,117.4 v1(131.55,117.4) ; v1(139.25,167) 139.25,165.32 146.83,157.74 146.83,144.99 141.49,139.65 122.35,139.65 119.13,142.87 119.13,146.32 v1(119.77,146.96) 119.8,146.99 120.78,146.99 121.24,146.53 122.34,146.53 v1(125.85,143.02) ; v1(121.47,92.11) 122.91,92.11 123.62,92.83 v1(143.53,92.83)
